# Altium PCB top_INA_v2.PcbDoc (part 4 of 4)
Units mil, origin at the board's own origin, x right, y up, seen from the top; angles counter-clockwise.
Board outline 13413.03 x 6200.01 mil, 2 copper layers (Top Layer, Bottom Layer); 582 components, 532 nets, 1562 pads, 336 vias.
Unrouted connection lines stored in the file: 144.
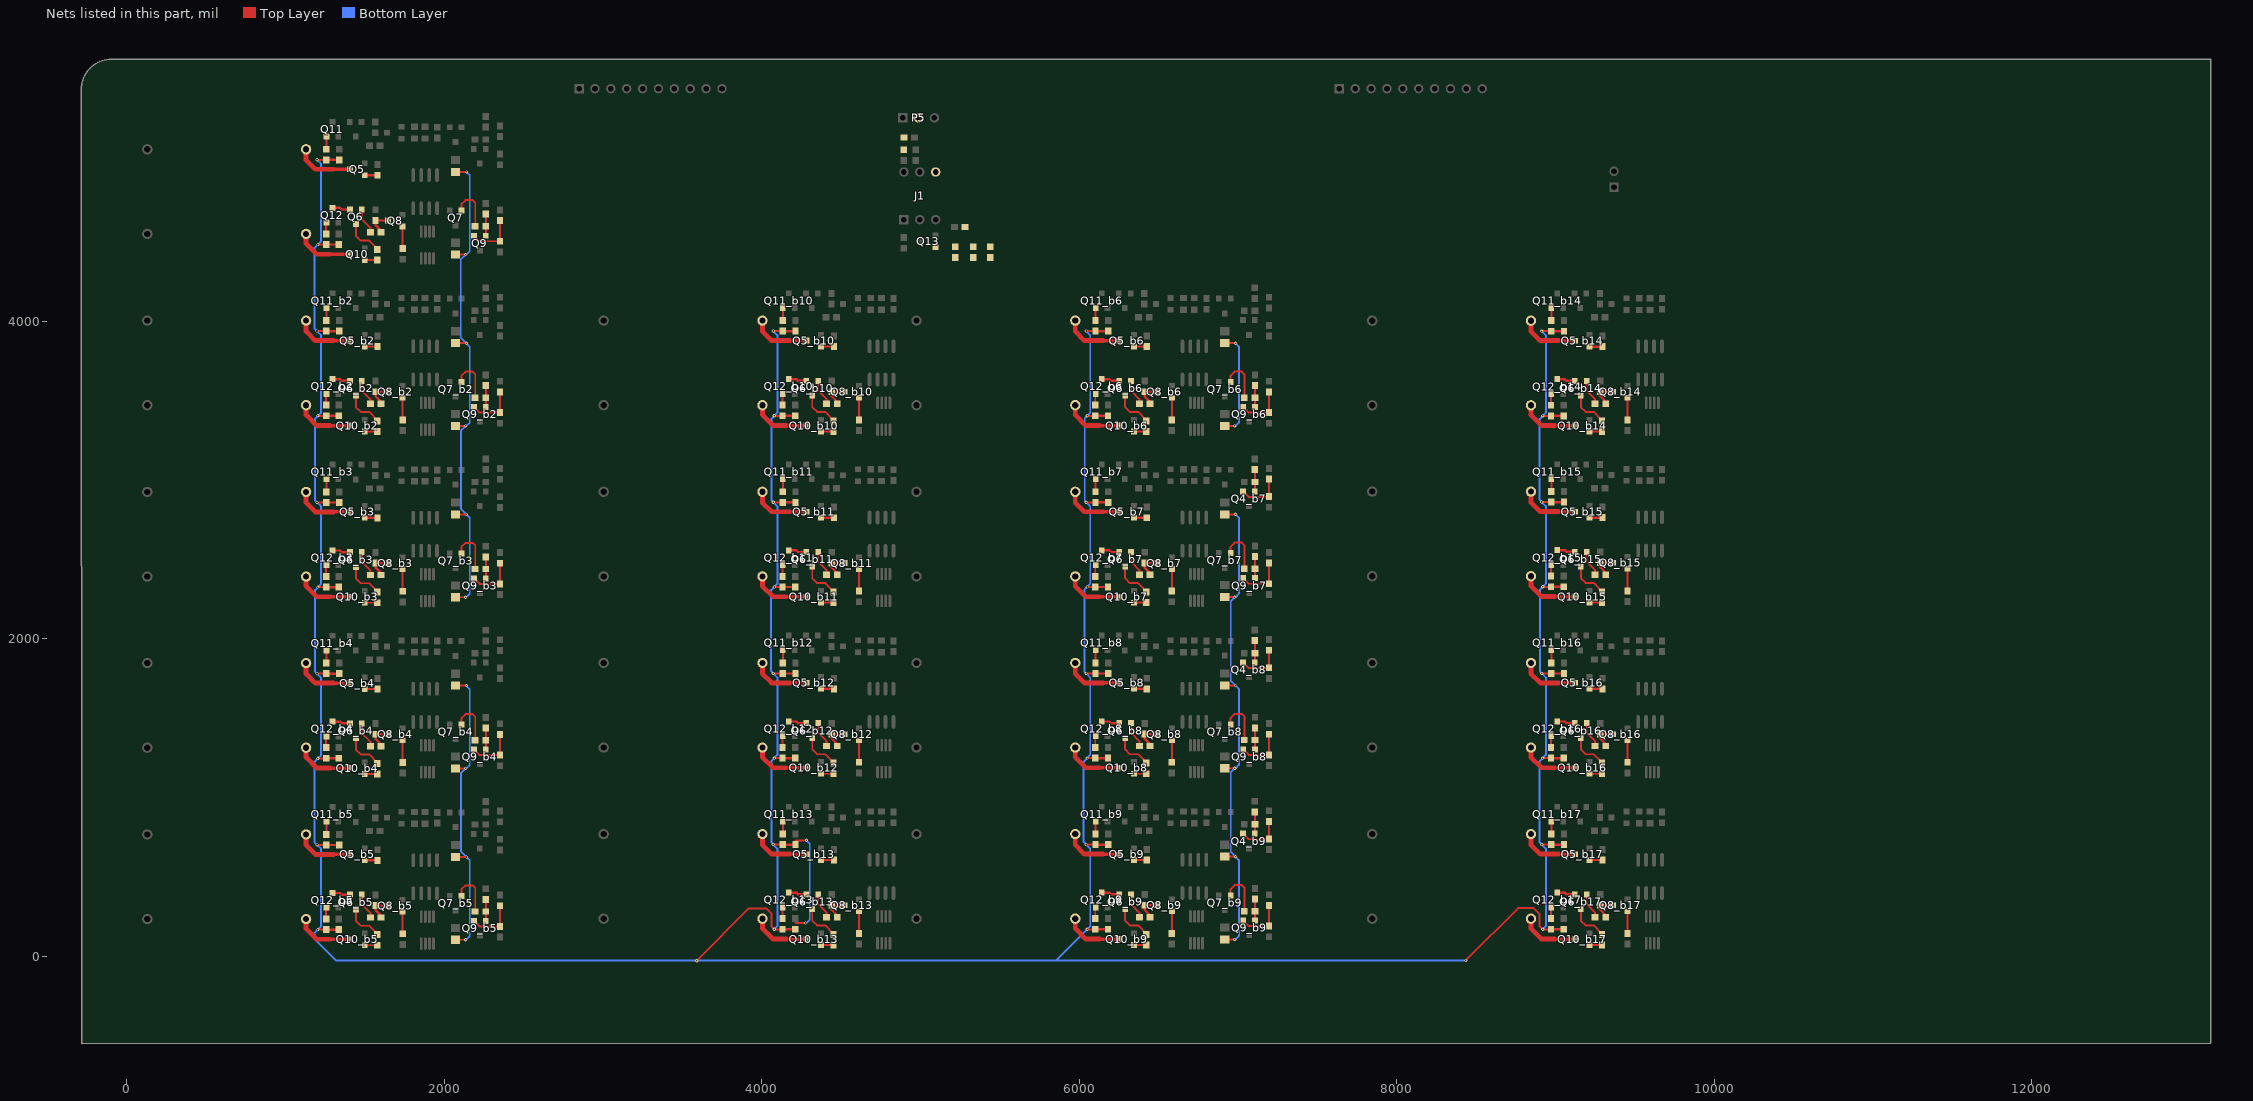
[diagram p4: the nets of this part, all layers, seen from the top]

## Via types
v1: diameter 20, hole 10, Top Layer to Bottom Layer, 283 vias
v2: diameter 40, hole 20, Top Layer to Bottom Layer, 51 vias
v3: diameter 125.98, hole 125.98, Top Layer to Bottom Layer, 2 vias

## Nets (pads, with @x,y where several pads share a name; then routed paths per layer and width w, separated by ;. In a path a pad name is that pad's centre, name@x,y a point inside that pad or via, vN(x,y) a via of type N, cw(c..) or ccw(c..) an arc to the next point about the centre after c; other vN are vias at no path point) (continued)
NetQ4_b7_1: Q4_b7.1 R7_b7.1 R32_b7.1 | length 137.5
  Top Layer w12: Q4_b7.1@7106.27,2927.8 R7_b7.1@7106.27,3065.27
NetQ4_b7_2: Q4_b7.2 R8_b7.1 R13_b7.2 | length 290.8
  Top Layer w12: Q4_b7.2@7031.46,2927.8 7066.17,2893.09 7195.87,2893.09 R13_b7.2@7195.87,2895 R8_b7.1@7195.87,3005.07
NetQ4_b8_1: Q4_b8.1 R7_b8.1 R32_b8.1 | length 137.5
  Top Layer w12: Q4_b8.1@7106.27,1849.8 R7_b8.1@7106.27,1987.27
NetQ4_b8_2: Q4_b8.2 R8_b8.1 R13_b8.2 | length 290.8
  Top Layer w12: Q4_b8.2@7031.46,1849.8 7066.17,1815.09 7195.87,1815.09 R13_b8.2@7195.87,1817 R8_b8.1@7195.87,1927.07
NetQ4_b9_1: Q4_b9.1 R7_b9.1 R32_b9.1 | length 137.5
  Top Layer w12: Q4_b9.1@7106.27,771.8 R7_b9.1@7106.27,909.27
NetQ4_b9_2: Q4_b9.2 R8_b9.1 R13_b9.2 | length 290.8
  Top Layer w12: Q4_b9.2@7031.46,771.8 7066.17,737.09 7195.87,737.09 R13_b9.2@7195.87,739 R8_b9.1@7195.87,849.07
NetQ4_b10_1: 
NetQ4_b10_2: 
NetQ4_b11_1: 
NetQ4_b11_2: 
NetQ4_b12_1: 
NetQ4_b12_2: 
NetQ4_b13_1: 
NetQ4_b13_2: 
NetQ4_b14_1: 
NetQ4_b14_2: 
NetQ4_b15_1: 
NetQ4_b15_2: 
NetQ4_b16_1: 
NetQ4_b16_2: 
NetQ4_b17_1: 
NetQ4_b17_2: 
NetQ5_1: Q5.1 R11.1 | length 80.5
  Top Layer w15: Q5.1@1500.46,4918.8 R11.1@1581,4918.8
NetQ5_3: Q5.3 R1.1 | length 368.5
  Top Layer w22: 1305.72,4956.54 Q5.3@1407.61,4956.53
  Top Layer w30: R1.1@1131,5082.26 1131,5014.26 1188.72,4956.54 1305.72,4956.54
NetQ5_b2_1: Q5_b2.1 R11_b2.1 | length 80.5
  Top Layer w15: Q5_b2.1@1500.46,3839.8 R11_b2.1@1581,3839.8
NetQ5_b2_3: Q5_b2.3 R1_b2.1 | length 368.5
  Top Layer w22: 1305.72,3877.54 Q5_b2.3@1407.61,3877.53
  Top Layer w30: R1_b2.1@1131,4003.26 1131,3935.26 1188.72,3877.54 1305.72,3877.54
NetQ5_b3_1: Q5_b3.1 R11_b3.1 | length 80.5
  Top Layer w15: Q5_b3.1@1500.46,2760.8 R11_b3.1@1581,2760.8
NetQ5_b3_3: Q5_b3.3 R1_b3.1 | length 368.5
  Top Layer w22: 1305.72,2798.54 Q5_b3.3@1407.61,2798.53
  Top Layer w30: R1_b3.1@1131,2924.26 1131,2856.26 1188.72,2798.54 1305.72,2798.54
NetQ5_b4_1: Q5_b4.1 R11_b4.1 | length 80.5
  Top Layer w15: Q5_b4.1@1500.46,1682.8 R11_b4.1@1581,1682.8
NetQ5_b4_3: Q5_b4.3 R1_b4.1 | length 368.5
  Top Layer w22: 1305.72,1720.54 Q5_b4.3@1407.61,1720.53
  Top Layer w30: R1_b4.1@1131,1846.26 1131,1778.26 1188.72,1720.54 1305.72,1720.54
NetQ5_b5_1: Q5_b5.1 R11_b5.1 | length 80.5
  Top Layer w15: Q5_b5.1@1500.46,603.8 R11_b5.1@1581,603.8
NetQ5_b5_3: Q5_b5.3 R1_b5.1 | length 368.5
  Top Layer w22: 1305.72,641.54 Q5_b5.3@1407.61,641.53
  Top Layer w30: R1_b5.1@1131,767.26 1131,699.26 1188.72,641.54 1305.72,641.54
NetQ5_b6_1: Q5_b6.1 R11_b6.1 | length 80.5
  Top Layer w15: Q5_b6.1@6344.46,3839.8 R11_b6.1@6425,3839.8
NetQ5_b6_3: Q5_b6.3 R1_b6.1 | length 368.5
  Top Layer w22: 6149.72,3877.54 Q5_b6.3@6251.61,3877.53
  Top Layer w30: R1_b6.1@5975,4003.26 5975,3935.26 6032.72,3877.54 6149.72,3877.54
NetQ5_b7_1: Q5_b7.1 R11_b7.1 | length 80.5
  Top Layer w15: Q5_b7.1@6344.46,2761.8 R11_b7.1@6425,2761.8
NetQ5_b7_3: Q5_b7.3 R1_b7.1 | length 368.5
  Top Layer w22: 6149.72,2799.54 Q5_b7.3@6251.61,2799.53
  Top Layer w30: R1_b7.1@5975,2925.26 5975,2857.26 6032.72,2799.54 6149.72,2799.54
NetQ5_b8_1: Q5_b8.1 R11_b8.1 | length 80.5
  Top Layer w15: Q5_b8.1@6344.46,1683.8 R11_b8.1@6425,1683.8
NetQ5_b8_3: Q5_b8.3 R1_b8.1 | length 368.5
  Top Layer w22: 6149.72,1721.54 Q5_b8.3@6251.61,1721.54
  Top Layer w30: R1_b8.1@5975,1847.26 5975,1779.26 6032.72,1721.54 6149.72,1721.54
NetQ5_b9_1: Q5_b9.1 R11_b9.1 | length 80.5
  Top Layer w15: Q5_b9.1@6344.46,605.8 R11_b9.1@6425,605.8
NetQ5_b9_3: Q5_b9.3 R1_b9.1 | length 368.5
  Top Layer w22: 6149.72,643.54 Q5_b9.3@6251.61,643.53
  Top Layer w30: R1_b9.1@5975,769.26 5975,701.26 6032.72,643.54 6149.72,643.54
NetQ5_b10_1: Q5_b10.1 R11_b10.1 | length 80.5
  Top Layer w15: Q5_b10.1@4374.46,3839.8 R11_b10.1@4455,3839.8
NetQ5_b10_3: Q5_b10.3 R1_b10.1 | length 368.5
  Top Layer w22: 4179.72,3877.54 Q5_b10.3@4281.61,3877.53
  Top Layer w30: R1_b10.1@4005,4003.26 4005,3935.26 4062.72,3877.54 4179.72,3877.54
NetQ5_b11_1: Q5_b11.1 R11_b11.1 | length 80.5
  Top Layer w15: Q5_b11.1@4374.46,2761.8 R11_b11.1@4455,2761.8
NetQ5_b11_3: Q5_b11.3 R1_b11.1 | length 368.5
  Top Layer w22: 4179.72,2799.54 Q5_b11.3@4281.61,2799.53
  Top Layer w30: R1_b11.1@4005,2925.26 4005,2857.26 4062.72,2799.54 4179.72,2799.54
NetQ5_b12_1: Q5_b12.1 R11_b12.1 | length 80.5
  Top Layer w15: Q5_b12.1@4374.46,1683.8 R11_b12.1@4455,1683.8
NetQ5_b12_3: Q5_b12.3 R1_b12.1 | length 368.5
  Top Layer w22: 4179.72,1721.54 Q5_b12.3@4281.61,1721.53
  Top Layer w30: R1_b12.1@4005,1847.26 4005,1779.26 4062.72,1721.54 4179.72,1721.54
NetQ5_b13_1: Q5_b13.1 R11_b13.1 | length 80.5
  Top Layer w15: Q5_b13.1@4374.46,605.8 R11_b13.1@4455,605.8
NetQ5_b13_3: Q5_b13.3 R1_b13.1 | length 368.5
  Top Layer w22: 4179.72,643.54 Q5_b13.3@4281.61,643.53
  Top Layer w30: R1_b13.1@4005,769.26 4005,701.26 4062.72,643.54 4179.72,643.54
NetQ5_b14_1: Q5_b14.1 R11_b14.1 | length 80.5
  Top Layer w15: Q5_b14.1@9214.46,3839.54 R11_b14.1@9295,3839.54
NetQ5_b14_3: Q5_b14.3 R1_b14.1 | length 368.5
  Top Layer w22: 9019.72,3877.28 Q5_b14.3@9121.61,3877.27
  Top Layer w30: R1_b14.1@8845,4003 8845,3935 8902.72,3877.28 9019.72,3877.28
NetQ5_b15_1: Q5_b15.1 R11_b15.1 | length 80.5
  Top Layer w15: Q5_b15.1@9214.46,2762.8 R11_b15.1@9295,2762.8
NetQ5_b15_3: Q5_b15.3 R1_b15.1 | length 368.5
  Top Layer w22: 9019.72,2800.54 Q5_b15.3@9121.61,2800.53
  Top Layer w30: R1_b15.1@8845,2926.26 8845,2858.26 8902.72,2800.54 9019.72,2800.54
NetQ5_b16_1: Q5_b16.1 R11_b16.1 | length 80.5
  Top Layer w15: Q5_b16.1@9214.46,1683.8 R11_b16.1@9295,1683.8
NetQ5_b16_3: Q5_b16.3 R1_b16.1 | length 368.5
  Top Layer w22: 9019.72,1721.54 Q5_b16.3@9121.61,1721.53
  Top Layer w30: R1_b16.1@8845,1847.26 8845,1779.26 8902.72,1721.54 9019.72,1721.54
NetQ5_b17_1: Q5_b17.1 R11_b17.1 | length 80.5
  Top Layer w15: Q5_b17.1@9214.46,605.8 R11_b17.1@9295,605.8
NetQ5_b17_3: Q5_b17.3 R1_b17.1 | length 368.5
  Top Layer w22: 9019.72,643.54 Q5_b17.3@9121.61,643.53
  Top Layer w30: R1_b17.1@8845,769.26 8845,701.26 8902.72,643.54 9019.72,643.54
NetQ6_1: Q6.1 R37.2 | length 165.8
  Top Layer w12: Q6.1@1482.27,4702.8 1482.27,4641.6 1535.4,4588.46 R37.2@1535.4,4559
NetQ6_2: Q6.2 Q12.3 | length 114.9
  Top Layer w15: Q12.3@1297,4713.52 1344.74,4713.52 1355.46,4702.8 Q6.2@1407.46,4702.8
NetQ6_3: Q6.3 R23.2 | length 244.9
  Top Layer w12: Q6.3@1444.87,4610.28 1444.87,4537.54 1475.4,4507 1527.25,4507 1578.25,4456 R23.2@1578.25,4451
NetQ6_b2_1: Q6_b2.1 R37_b2.2 | length 165.8
  Top Layer w12: Q6_b2.1@1482.27,3623.8 1482.27,3562.6 1535.4,3509.46 R37_b2.2@1535.4,3480
NetQ6_b2_2: Q6_b2.2 Q12_b2.3 | length 114.9
  Top Layer w15: Q12_b2.3@1297,3634.52 1344.74,3634.52 1355.46,3623.8 Q6_b2.2@1407.46,3623.8
NetQ6_b2_3: Q6_b2.3 R23_b2.2 | length 244.9
  Top Layer w12: Q6_b2.3@1444.87,3531.28 1444.87,3458.54 1475.4,3428 1527.25,3428 1578.25,3377 R23_b2.2@1578.25,3372
NetQ6_b3_1: Q6_b3.1 R37_b3.2 | length 165.8
  Top Layer w12: Q6_b3.1@1482.27,2544.8 1482.27,2483.6 1535.4,2430.46 R37_b3.2@1535.4,2401
NetQ6_b3_2: Q6_b3.2 Q12_b3.3 | length 114.9
  Top Layer w15: Q12_b3.3@1297,2555.52 1344.74,2555.52 1355.46,2544.8 Q6_b3.2@1407.46,2544.8
NetQ6_b3_3: Q6_b3.3 R23_b3.2 | length 244.9
  Top Layer w12: Q6_b3.3@1444.87,2452.28 1444.87,2379.54 1475.4,2349 1527.25,2349 1578.25,2298 R23_b3.2@1578.25,2293
NetQ6_b4_1: Q6_b4.1 R37_b4.2 | length 165.8
  Top Layer w12: Q6_b4.1@1482.27,1466.8 1482.27,1405.6 1535.4,1352.46 R37_b4.2@1535.4,1323
NetQ6_b4_2: Q6_b4.2 Q12_b4.3 | length 114.9
  Top Layer w15: Q12_b4.3@1297,1477.52 1344.74,1477.52 1355.46,1466.8 Q6_b4.2@1407.46,1466.8
NetQ6_b4_3: Q6_b4.3 R23_b4.2 | length 244.9
  Top Layer w12: Q6_b4.3@1444.87,1374.28 1444.87,1301.54 1475.4,1271 1527.25,1271 1578.25,1220 R23_b4.2@1578.25,1215
NetQ6_b5_1: Q6_b5.1 R37_b5.2 | length 165.8
  Top Layer w12: Q6_b5.1@1482.27,387.8 1482.27,326.6 1535.4,273.46 R37_b5.2@1535.4,244
NetQ6_b5_2: Q6_b5.2 Q12_b5.3 | length 114.9
  Top Layer w15: Q12_b5.3@1297,398.52 1344.74,398.52 1355.46,387.8 Q6_b5.2@1407.46,387.8
NetQ6_b5_3: Q6_b5.3 R23_b5.2 | length 244.9
  Top Layer w12: Q6_b5.3@1444.87,295.28 1444.87,222.54 1475.4,192 1527.25,192 1578.25,141 R23_b5.2@1578.25,136
NetQ6_b6_1: Q6_b6.1 R37_b6.2 | length 165.8
  Top Layer w12: Q6_b6.1@6326.27,3623.8 6326.27,3562.6 6379.4,3509.46 R37_b6.2@6379.4,3480
NetQ6_b6_2: Q6_b6.2 Q12_b6.3 | length 114.9
  Top Layer w15: Q12_b6.3@6141,3634.52 6188.74,3634.52 6199.46,3623.8 Q6_b6.2@6251.46,3623.8
NetQ6_b6_3: Q6_b6.3 R23_b6.2 | length 244.9
  Top Layer w12: Q6_b6.3@6288.87,3531.28 6288.87,3458.54 6319.4,3428 6371.25,3428 6422.25,3377 R23_b6.2@6422.25,3372
NetQ6_b7_1: Q6_b7.1 R37_b7.2 | length 165.8
  Top Layer w12: Q6_b7.1@6326.27,2545.8 6326.27,2484.6 6379.4,2431.46 R37_b7.2@6379.4,2402
NetQ6_b7_2: Q6_b7.2 Q12_b7.3 | length 114.9
  Top Layer w15: Q12_b7.3@6141,2556.52 6188.74,2556.52 6199.46,2545.8 Q6_b7.2@6251.46,2545.8
NetQ6_b7_3: Q6_b7.3 R23_b7.2 | length 244.9
  Top Layer w12: Q6_b7.3@6288.87,2453.28 6288.87,2380.54 6319.4,2350 6371.25,2350 6422.25,2299 R23_b7.2@6422.25,2294
NetQ6_b8_1: Q6_b8.1 R37_b8.2 | length 165.8
  Top Layer w12: Q6_b8.1@6326.27,1467.8 6326.27,1406.6 6379.4,1353.46 R37_b8.2@6379.4,1324
NetQ6_b8_2: Q6_b8.2 Q12_b8.3 | length 114.9
  Top Layer w15: Q12_b8.3@6141,1478.52 6188.74,1478.52 6199.46,1467.8 Q6_b8.2@6251.46,1467.8
NetQ6_b8_3: Q6_b8.3 R23_b8.2 | length 244.9
  Top Layer w12: Q6_b8.3@6288.87,1375.28 6288.87,1302.54 6319.4,1272 6371.25,1272 6422.25,1221 R23_b8.2@6422.25,1216
NetQ6_b9_1: Q6_b9.1 R37_b9.2 | length 165.8
  Top Layer w12: Q6_b9.1@6326.27,389.8 6326.27,328.6 6379.4,275.46 R37_b9.2@6379.4,246
NetQ6_b9_2: Q6_b9.2 Q12_b9.3 | length 114.9
  Top Layer w15: Q12_b9.3@6141,400.52 6188.74,400.52 6199.46,389.8 Q6_b9.2@6251.46,389.8
NetQ6_b9_3: Q6_b9.3 R23_b9.2 | length 244.9
  Top Layer w12: Q6_b9.3@6288.87,297.28 6288.87,224.54 6319.4,194 6371.25,194 6422.25,143 R23_b9.2@6422.25,138
NetQ6_b10_1: Q6_b10.1 R37_b10.2 | length 165.8
  Top Layer w12: Q6_b10.1@4356.27,3623.8 4356.27,3562.6 4409.4,3509.46 R37_b10.2@4409.4,3480
NetQ6_b10_2: Q6_b10.2 Q12_b10.3 | length 114.9
  Top Layer w15: Q12_b10.3@4171,3634.52 4218.74,3634.52 4229.46,3623.8 Q6_b10.2@4281.46,3623.8
NetQ6_b10_3: Q6_b10.3 R23_b10.2 | length 244.9
  Top Layer w12: Q6_b10.3@4318.87,3531.28 4318.87,3458.54 4349.4,3428 4401.25,3428 4452.25,3377 R23_b10.2@4452.25,3372
NetQ6_b11_1: Q6_b11.1 R37_b11.2 | length 165.8
  Top Layer w12: Q6_b11.1@4356.27,2545.8 4356.27,2484.6 4409.4,2431.46 R37_b11.2@4409.4,2402
NetQ6_b11_2: Q6_b11.2 Q12_b11.3 | length 114.9
  Top Layer w15: Q12_b11.3@4171,2556.52 4218.74,2556.52 4229.46,2545.8 Q6_b11.2@4281.46,2545.8
NetQ6_b11_3: Q6_b11.3 R23_b11.2 | length 244.9
  Top Layer w12: Q6_b11.3@4318.87,2453.28 4318.87,2380.54 4349.4,2350 4401.25,2350 4452.25,2299 R23_b11.2@4452.25,2294
NetQ6_b12_1: Q6_b12.1 R37_b12.2 | length 165.8
  Top Layer w12: Q6_b12.1@4356.27,1467.8 4356.27,1406.6 4409.4,1353.46 R37_b12.2@4409.4,1324
NetQ6_b12_2: Q6_b12.2 Q12_b12.3 | length 114.9
  Top Layer w15: Q12_b12.3@4171,1478.52 4218.74,1478.52 4229.46,1467.8 Q6_b12.2@4281.46,1467.8
NetQ6_b12_3: Q6_b12.3 R23_b12.2 | length 244.9
  Top Layer w12: Q6_b12.3@4318.87,1375.28 4318.87,1302.54 4349.4,1272 4401.25,1272 4452.25,1221 R23_b12.2@4452.25,1216
NetQ6_b13_1: Q6_b13.1 R37_b13.2 | length 165.8
  Top Layer w12: Q6_b13.1@4356.27,389.8 4356.27,328.6 4409.4,275.46 R37_b13.2@4409.4,246
NetQ6_b13_2: Q6_b13.2 Q12_b13.3 | length 114.9
  Top Layer w15: Q12_b13.3@4171,400.52 4218.74,400.52 4229.46,389.8 Q6_b13.2@4281.46,389.8
NetQ6_b13_3: Q6_b13.3 R23_b13.2 | length 244.9
  Top Layer w12: Q6_b13.3@4318.87,297.28 4318.87,224.54 4349.4,194 4401.25,194 4452.25,143 R23_b13.2@4452.25,138
NetQ6_b14_1: Q6_b14.1 R37_b14.2 | length 165.8
  Top Layer w12: Q6_b14.1@9196.27,3623.54 9196.27,3562.34 9249.4,3509.2 R37_b14.2@9249.4,3479.74
NetQ6_b14_2: Q6_b14.2 Q12_b14.3 | length 114.9
  Top Layer w15: Q12_b14.3@9011,3634.26 9058.74,3634.26 9069.46,3623.54 Q6_b14.2@9121.46,3623.54
NetQ6_b14_3: Q6_b14.3 R23_b14.2 | length 244.9
  Top Layer w12: Q6_b14.3@9158.87,3531.02 9158.87,3458.28 9189.4,3427.74 9241.25,3427.74 9292.25,3376.74 R23_b14.2@9292.25,3371.74
NetQ6_b15_1: Q6_b15.1 R37_b15.2 | length 165.8
  Top Layer w12: Q6_b15.1@9196.27,2546.8 9196.27,2485.6 9249.4,2432.46 R37_b15.2@9249.4,2403
NetQ6_b15_2: Q6_b15.2 Q12_b15.3 | length 114.9
  Top Layer w15: Q12_b15.3@9011,2557.52 9058.74,2557.52 9069.46,2546.8 Q6_b15.2@9121.46,2546.8
NetQ6_b15_3: Q6_b15.3 R23_b15.2 | length 244.9
  Top Layer w12: Q6_b15.3@9158.87,2454.28 9158.87,2381.54 9189.4,2351 9241.25,2351 9292.25,2300 R23_b15.2@9292.25,2295
NetQ6_b16_1: Q6_b16.1 R37_b16.2 | length 165.8
  Top Layer w12: Q6_b16.1@9196.27,1467.8 9196.27,1406.6 9249.4,1353.46 R37_b16.2@9249.4,1324
NetQ6_b16_2: Q6_b16.2 Q12_b16.3 | length 114.9
  Top Layer w15: Q12_b16.3@9011,1478.52 9058.74,1478.52 9069.46,1467.8 Q6_b16.2@9121.46,1467.8
NetQ6_b16_3: Q6_b16.3 R23_b16.2 | length 244.9
  Top Layer w12: Q6_b16.3@9158.87,1375.28 9158.87,1302.54 9189.4,1272 9241.25,1272 9292.25,1221 R23_b16.2@9292.25,1216
NetQ6_b17_1: Q6_b17.1 R37_b17.2 | length 165.8
  Top Layer w12: Q6_b17.1@9196.27,389.8 9196.27,328.6 9249.4,275.46 R37_b17.2@9249.4,246
NetQ6_b17_2: Q6_b17.2 Q12_b17.3 | length 114.9
  Top Layer w15: Q12_b17.3@9011,400.52 9058.74,400.52 9069.46,389.8 Q6_b17.2@9121.46,389.8
NetQ6_b17_3: Q6_b17.3 R23_b17.2 | length 244.9
  Top Layer w12: Q6_b17.3@9158.87,297.28 9158.87,224.54 9189.4,194 9241.25,194 9292.25,143 R23_b17.2@9292.25,138
NetQ7_1: Q7.1 R33.2 | length 291.9
  Top Layer w12: Q7.1@2109.27,4695.8 2109.27,4735.94 2134.87,4761.54 2179.87,4761.54 2196.4,4745 R33.2@2196.4,4597.87
NetQ7_b2_1: Q7_b2.1 R33_b2.2 | length 291.9
  Top Layer w12: Q7_b2.1@2109.27,3616.8 2109.27,3656.94 2134.87,3682.54 2179.87,3682.54 2196.4,3666 R33_b2.2@2196.4,3518.87
NetQ7_b3_1: Q7_b3.1 R33_b3.2 | length 293.1
  Top Layer w12: Q7_b3.1@2109.27,2537.8 2109.27,2577.94 2134.87,2603.54 2179.87,2603.54 2196.4,2587 2196.4,2439.87 R33_b3.2@2195.54,2439
NetQ7_b4_1: Q7_b4.1 R33_b4.2 | length 291.9
  Top Layer w12: Q7_b4.1@2109.27,1459.8 2109.27,1499.94 2134.87,1525.54 2179.87,1525.54 2196.4,1509 R33_b4.2@2196.4,1361.87
NetQ7_b5_1: Q7_b5.1 R33_b5.2 | length 291.9
  Top Layer w12: Q7_b5.1@2109.27,380.8 2109.27,420.94 2134.87,446.54 2179.87,446.54 2196.4,430 R33_b5.2@2196.4,282.87
NetQ7_b6_1: Q7_b6.1 R33_b6.2 | length 291.9
  Top Layer w12: Q7_b6.1@6953.27,3616.8 6953.27,3656.94 6978.87,3682.54 7023.87,3682.54 7040.4,3666 R33_b6.2@7040.4,3518.87
NetQ7_b7_1: Q7_b7.1 R33_b7.2 | length 291.9
  Top Layer w12: Q7_b7.1@6953.27,2538.8 6953.27,2578.94 6978.87,2604.54 7023.87,2604.54 7040.4,2588 R33_b7.2@7040.4,2440.87
NetQ7_b8_1: Q7_b8.1 R33_b8.2 | length 291.9
  Top Layer w12: Q7_b8.1@6953.27,1460.8 6953.27,1500.94 6978.87,1526.54 7023.87,1526.54 7040.4,1510 R33_b8.2@7040.4,1362.87
NetQ7_b9_1: Q7_b9.1 R33_b9.2 | length 291.9
  Top Layer w12: Q7_b9.1@6953.27,382.8 6953.27,422.94 6978.87,448.54 7023.87,448.54 7040.4,432 R33_b9.2@7040.4,284.87
NetQ7_b10_1: 
NetQ7_b11_1: 
NetQ7_b12_1: 
NetQ7_b13_1: 
NetQ7_b14_1: 
NetQ7_b15_1: 
NetQ7_b16_1: 
NetQ7_b17_1: 
NetQ8_1: Q8.1 R22.2 | length 139.2
  Top Layer w12: R22.2@1738.87,4457 1739.13,4457.26 Q8.1@1739.13,4596.13
NetQ8_3: Q8.3 R19.1 R37.1 | length 168.3
  Top Layer w15: R37.1@1602.33,4559 1602.33,4571.54 1567.87,4606 R19.1@1567.87,4634.07 1568.4,4633.54 Q8.3@1646.61,4633.53
NetQ8_b2_1: Q8_b2.1 R22_b2.2 | length 139.2
  Top Layer w12: R22_b2.2@1738.87,3378 1739.13,3378.26 Q8_b2.1@1739.13,3517.13
NetQ8_b2_3: Q8_b2.3 R19_b2.1 R37_b2.1 | length 168.3
  Top Layer w15: R37_b2.1@1602.33,3480 1602.33,3492.54 1567.87,3527 R19_b2.1@1567.87,3555.07 1568.4,3554.54 Q8_b2.3@1646.61,3554.53
NetQ8_b3_1: Q8_b3.1 R22_b3.2 | length 139.2
  Top Layer w12: R22_b3.2@1738.87,2299 1739.13,2299.26 Q8_b3.1@1739.13,2438.13
NetQ8_b3_3: Q8_b3.3 R19_b3.1 R37_b3.1 | length 168.3
  Top Layer w15: R37_b3.1@1602.33,2401 1602.33,2413.54 1567.87,2448 R19_b3.1@1567.87,2476.07 1568.4,2475.54 Q8_b3.3@1646.61,2475.53
NetQ8_b4_1: Q8_b4.1 R22_b4.2 | length 139.2
  Top Layer w12: R22_b4.2@1738.87,1221 1739.13,1221.26 Q8_b4.1@1739.13,1360.13
NetQ8_b4_3: Q8_b4.3 R19_b4.1 R37_b4.1 | length 168.3
  Top Layer w15: R37_b4.1@1602.33,1323 1602.33,1335.54 1567.87,1370 R19_b4.1@1567.87,1398.07 1568.4,1397.54 Q8_b4.3@1646.61,1397.53
NetQ8_b5_1: Q8_b5.1 R22_b5.2 | length 139.2
  Top Layer w12: R22_b5.2@1738.87,142 1739.13,142.26 Q8_b5.1@1739.13,281.13
NetQ8_b5_3: Q8_b5.3 R19_b5.1 R37_b5.1 | length 168.3
  Top Layer w15: R37_b5.1@1602.33,244 1602.33,256.54 1567.87,291 R19_b5.1@1567.87,319.07 1568.4,318.54 Q8_b5.3@1646.61,318.53
NetQ8_b6_1: Q8_b6.1 R22_b6.2 | length 139.2
  Top Layer w12: R22_b6.2@6582.87,3378 6583.13,3378.26 Q8_b6.1@6583.13,3517.13
NetQ8_b6_3: Q8_b6.3 R19_b6.1 R37_b6.1 | length 168.3
  Top Layer w15: R37_b6.1@6446.33,3480 6446.33,3492.54 6411.87,3527 R19_b6.1@6411.87,3555.07 6412.4,3554.54 Q8_b6.3@6490.61,3554.53
NetQ8_b7_1: Q8_b7.1 R22_b7.2 | length 139.2
  Top Layer w12: R22_b7.2@6582.87,2300 6583.13,2300.26 Q8_b7.1@6583.13,2439.13
NetQ8_b7_3: Q8_b7.3 R19_b7.1 R37_b7.1 | length 168.3
  Top Layer w15: R37_b7.1@6446.33,2402 6446.33,2414.54 6411.87,2449 R19_b7.1@6411.87,2477.07 6412.4,2476.54 Q8_b7.3@6490.61,2476.53
NetQ8_b8_1: Q8_b8.1 R22_b8.2 | length 139.2
  Top Layer w12: R22_b8.2@6582.87,1222 6583.13,1222.26 Q8_b8.1@6583.13,1361.13
NetQ8_b8_3: Q8_b8.3 R19_b8.1 R37_b8.1 | length 168.3
  Top Layer w15: R37_b8.1@6446.33,1324 6446.33,1336.54 6411.87,1371 R19_b8.1@6411.87,1399.07 6412.4,1398.54 Q8_b8.3@6490.61,1398.54
NetQ8_b9_1: Q8_b9.1 R22_b9.2 | length 139.2
  Top Layer w12: R22_b9.2@6582.87,144 6583.13,144.26 Q8_b9.1@6583.13,283.13
NetQ8_b9_3: Q8_b9.3 R19_b9.1 R37_b9.1 | length 168.3
  Top Layer w15: R37_b9.1@6446.33,246 6446.33,258.54 6411.87,293 R19_b9.1@6411.87,321.07 6412.4,320.54 Q8_b9.3@6490.61,320.53
NetQ8_b10_1: Q8_b10.1 R22_b10.2 | length 139.2
  Top Layer w12: R22_b10.2@4612.87,3378 4613.13,3378.26 Q8_b10.1@4613.13,3517.13
NetQ8_b10_3: Q8_b10.3 R19_b10.1 R37_b10.1 | length 168.3
  Top Layer w15: R37_b10.1@4476.33,3480 4476.33,3492.54 4441.87,3527 R19_b10.1@4441.87,3555.07 4442.4,3554.54 Q8_b10.3@4520.61,3554.53
NetQ8_b11_1: Q8_b11.1 R22_b11.2 | length 139.2
  Top Layer w12: R22_b11.2@4612.87,2300 4613.13,2300.26 Q8_b11.1@4613.13,2439.13